# Altium PCB KB-PCB-R02.PcbDoc (part 3 of 5) (continued)
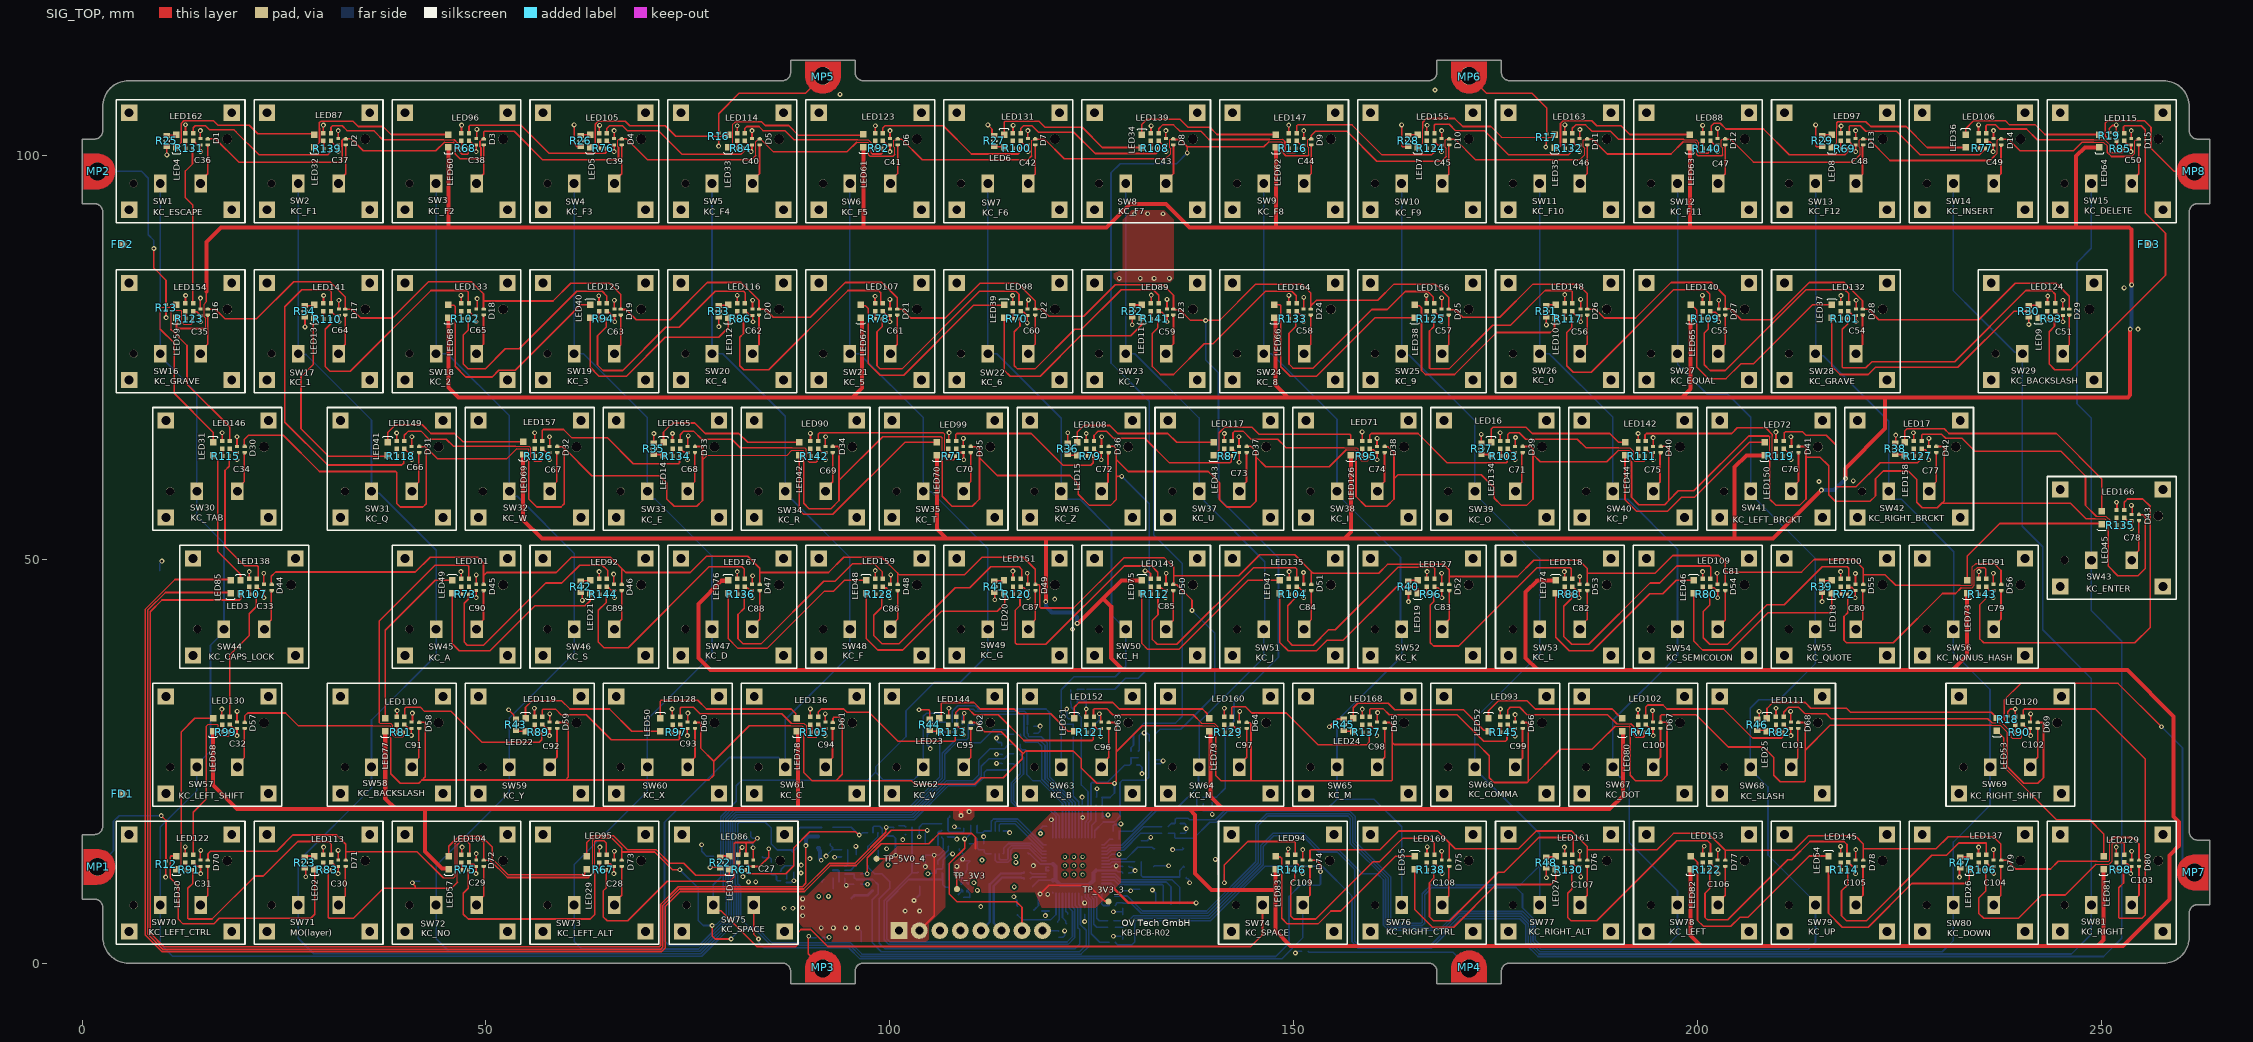
[diagram p0: SIG_TOP view]
## Nets (pads, with @x,y where several pads share a name; then routed paths per layer and width w, separated by ;. In a path a pad name is that pad's centre, name@x,y a point inside that pad or via, vN(x,y) a via of type N, cw(c..) or ccw(c..) an arc to the next point about the centre after c; other vN are vias at no path point) (continued)
  SIG_BOTTOM w0.2: R166.2@126.295,19.59 126.268,19.617 126.268,20.514 D100.1@126.24,20.541 127.241,20.541 127.8,21.1 v1(127.8,22.3)
NetD57_2: D57.2 SW57.2 | length 5
  SIG_TOP w0.2: SW57.2@19.224,24.304 19.224,24.629 20.1,25.505 20.1,28.9 D57.2@20.1,28.95
NetD58_2: D58.2 SW58.2 | length 5.2
  SIG_TOP w0.2: SW58.2@40.834,24.304 40.834,24.629 41.7,25.495 D58.2@41.7,29.1
NetD59_2: D59.2 SW59.2 | length 5.2
  SIG_TOP w0.2: SW59.2@57.907,24.304 57.907,24.629 58.8,25.522 D59.2@58.8,29.1
NetD60_2: D60.2 SW60.2 | length 5.2
  SIG_TOP w0.2: SW60.2@74.98,24.304 74.98,24.629 75.878,25.527 D60.2@75.878,29.124
NetD61_2: D61.2 SW61.2 | length 5.2
  SIG_TOP w0.2: SW61.2@92.054,24.304 92.054,24.629 92.9,25.475 92.9,29.1 D61.2@92.9,29.15
NetD62_2: D62.2 SW62.2 | length 5.2
  SIG_TOP w0.2: SW62.2@109.127,24.304 109.127,24.629 110,25.502 110,29.1 D62.2@110,29.15
NetD63_2: D63.2 SW63.2 | length 4.9
  SIG_TOP w0.2: SW63.2@126.2,24.304 126.2,24.629 127.09,25.519 127.09,28.85
NetD64_2: D64.2 SW64.2 | length 5.2
  SIG_TOP w0.2: SW64.2@143.273,24.304 143.273,24.629 144.158,25.514 D64.2@144.158,29.158
NetD65_2: D65.2 SW65.2 | length 5.2
  SIG_TOP w0.2: SW65.2@160.347,24.304 160.347,24.629 161.245,25.527 D65.2@161.245,29.124
NetD66_2: D66.2 SW66.2 | length 5.2
  SIG_TOP w0.2: SW66.2@177.42,24.304 177.42,24.629 178.095,25.304 178.183,25.304 178.3,25.421 D66.2@178.3,29.1
NetD67_2: D67.2 SW67.2 | length 5.1
  SIG_TOP w0.2: SW67.2@194.493,24.304 194.493,24.629 195.391,25.527 D67.2@195.391,29.074
NetD68_2: D68.2 SW68.2 | length 5.1
  SIG_TOP w0.2: SW68.2@211.567,24.304 211.567,24.629 212.4,25.462 212.4,29 D68.2@212.4,29.05
NetD69_2: D69.2 SW69.2 | length 5.1
  SIG_TOP w0.2: SW69.2@241.182,24.304 241.182,24.629 242.08,25.527 D69.2@242.08,29.074
NetD70_1: D70.1 D71.1 D72.1 D73.1 D74.1 D75.1 D76.1 D77.1 D78.1 D79.1 D80.1 D101.1 R167.2 | length 353.7
  SIG_TOP w0.15: 44.701,10.6 46,10.6 46.173,10.773 46.173,14.849 ; 62.69,10.644 63.197,11.151 63.197,15.279 ; 249.455,12.645 250.886,12.645 251.004,12.763 251.004,15.183
  SIG_TOP w0.2: D70.1@15.535,12.8 15.597,12.862 15.597,13.597 15.9,13.9 24.1,13.9 26.1,15.9 31.5,15.9 32.658,14.742 32.658,13.825 ; D71.1@32.658,12.75 D71.1@32.658,12.8 32.658,13.825 ; 44.701,10.6 41.476,13.825 32.658,13.825 ; 46.173,14.849 46.775,15.451 49.249,15.451 49.732,14.968 D72.1@49.732,12.8 ; D72.1@49.732,12.793 50.507,12.793 52.656,10.644 62.69,10.644 ; 63.197,15.279 63.417,15.5 65.6,15.5 66.8,14.3 66.8,13.8 ; D73.1@66.8,12.75 66.8,13.8 ; v1(74,11.6) 73.1,11.6 70.9,13.8 66.8,13.8 ; v1(78,4.7) 78,3.397 78.366,3.031 v1(80.341,3.031) ; v1(153.3,11.37) 153.3,12.3 152.823,12.777 152,12.777 152,13.983 152.117,14.1 160.7,14.1 163,16.4 167.8,16.4 169.25,14.95 ; D75.1@169.25,12.8 169.25,14.95 ; D76.1@186.3,12.85 186.3,14.1 ; D77.1@203.388,12.823 203.388,14.012 ; D78.1@220.46,12.876 220.5,12.916 220.5,14.2 ; 249.455,12.645 244.621,12.645 243.676,11.7 239.4,11.7 238.304,12.796 237.528,12.796 237.528,14.772 236.6,15.7 231,15.7 229.5,14.2 220.5,14.2 ; 251.004,15.183 251.421,15.6 253.8,15.6 254.614,14.786 D80.1@254.614,12.812 ; 169.25,14.95 170,14.2 177.8,14.2 180,16.4 184.4,16.4 186.3,14.5 186.3,14.1 ; 186.3,14.1 195,14.1 197,16.1 201.3,16.1 203.388,14.012 ; 203.388,14.012 211.912,14.012 213.7,15.8 219.483,15.8 220.5,14.783 220.5,14.2
  SIG_BOTTOM w0.2: v1(74,11.6) 76.3,9.3 76.3,5.3 76.9,4.7 v1(78,4.7) 78.077,4.777 78.477,4.777 79.761,6.061 79.761,8.739 79.37,9.13 79.37,18.045 80.624,19.3 102.399,19.3 106.183,23.084 D101.1@106.183,28.659 106.184,28.66 R167.2@106.938,28.66 ; v1@80.287,3.035 81.462,4.21 83.332,4.21 85.296,2.246 95.035,2.246 96.415,0.866 147.749,0.866 149.4,2.517 149.4,8.3 150.8,9.7 153.183,9.7 153.3,9.817 v1(153.3,11.37)
NetD70_2: D70.2 SW70.2 | length 5.2
  SIG_TOP w0.2: SW70.2@14.687,7.23 14.687,7.555 15.585,8.453 D70.2@15.585,12.05
NetD71_2: D71.2 SW71.2 | length 5.1
  SIG_TOP w0.2: SW71.2@31.76,7.23 31.76,7.555 32.435,8.23 32.483,8.23 32.6,8.347 32.6,11.9 D71.2@32.6,11.95
NetD72_2: D72.2 SW72.2 | length 5.2
  SIG_TOP w0.2: SW72.2@48.834,7.23 48.834,7.555 49.509,8.23 49.613,8.23 49.731,8.347 49.731,11.988 D72.2@49.731,12.038
NetD73_2: D73.2 SW73.2 | length 5.2
  SIG_TOP w0.2: SW73.2@65.907,7.23 65.907,7.555 66.8,8.448 66.8,12 D73.2@66.8,12.05
NetD74_2: D74.2 SW74.2 SW75.2 | length 84.7
  SIG_TOP w0.2: SW75.2@83.129,7.23 83.129,3.644 v1(83.738,3.035) ; SW74.2@151.8,7.901 SW74.2@151.129,7.23 151.129,7.555 152,8.426 D74.2@152,12.1
  SIG_BOTTOM w0.2: v1(83.738,3.035) 83.776,2.998 83.776,2.624 84.454,1.946 94.911,1.946 96.291,0.566 148.49,0.566 151.129,3.205 SW74.2@151.129,7.555
NetD75_2: D75.2 SW76.2 | length 5.2
  SIG_TOP w0.2: SW76.2@168.352,7.23 168.352,7.555 169.191,8.394 169.191,12.008 D75.2@169.191,12.058
NetD76_2: D76.2 SW77.2 | length 5.1
  SIG_TOP w0.2: SW77.2@185.425,7.23 185.425,7.555 186.323,8.453 D76.2@186.323,12
NetD77_2: D77.2 SW78.2 | length 5.3
  SIG_TOP w0.2: SW78.2@202.499,7.23 202.499,7.555 203.399,8.455 203.399,12.111 D77.2@203.388,12.123
NetD78_2: D78.2 SW79.2 | length 5.2
  SIG_TOP w0.2: SW79.2@219.572,7.23 219.572,7.555 220.46,8.443 D78.2@220.46,12.076
NetD79_2: D79.2 SW80.2 | length 5.2
  SIG_TOP w0.2: SW80.2@236.645,7.23 236.645,7.555 237.528,8.438 237.528,11.996 D79.2@237.528,12.046
NetD80_2: D80.2 SW81.2 | length 5.2
  SIG_TOP w0.2: SW81.2@253.718,7.23 253.718,7.555 254.614,8.451 254.614,12.012 D80.2@254.614,12.062
NetD81_1: D81.1 R147.1 SW1.1 SW16.1 SW30.1 SW44.1 SW57.1 SW70.1 | length 225
  SIG_BOTTOM w0.2: SW1.1@9.687,96.553 SW16.1@9.687,75.48 9.687,75.155 14.224,70.618 14.224,55.383 17.571,52.036 SW44.1@17.571,41.377 17.571,41.052 15.9,39.381 15.9,26.305 14.224,24.629 SW57.1@14.224,24.304 14.224,21.424 9.687,16.887 SW70.1@9.687,7.23 9.687,2.413 11.2,0.9 76.721,0.9 81.261,5.44 81.261,9.36 80.87,9.752 80.87,17.424 81.246,17.8 103.033,17.8 107.256,22.023 110.604,22.023 111.7,23.118 111.7,23.681 111.974,23.955 114.387,23.955 114.6,24.167 D81.1@114.6,24.732 ; D81.1@114.75,24.732 115.268,24.732 115.37,24.629 R147.1@115.42,24.629
NetD82_1: D82.1 R148.1 SW2.1 SW17.1 SW31.1 SW45.1 SW58.1 SW71.1 | length 216.5
  SIG_BOTTOM w0.2: SW2.1@26.76,96.553 SW17.1@26.76,75.48 26.858,75.382 27.718,75.382 35.834,67.266 SW31.1@35.834,58.45 36.076,58.208 36.792,58.208 43.834,51.166 SW45.1@43.834,41.377 43.834,38.151 35.834,30.151 SW58.1@35.834,24.304 35.834,21.734 26.76,12.66 SW71.1@26.76,7.23 26.76,3.126 28.686,1.2 76.597,1.2 80.961,5.564 80.961,9.236 80.57,9.627 80.57,17.548 81.121,18.1 102.909,18.1 107.131,22.323 110.412,22.323 111.307,23.218 111.307,24.407 112.259,25.359 114.172,25.359 114.6,25.787 D82.1@114.6,25.937 114.628,25.964 R148.1@115.355,25.964
NetD83_1: D83.1 R149.1 SW3.1 SW18.1 SW32.1 SW46.1 SW59.1 SW72.1 | length 200.2
  SIG_BOTTOM w0.2: SW3.1@43.834,96.553 SW18.1@43.834,75.48 45.22,75.48 52.907,67.793 SW32.1@52.907,58.45 53.525,57.832 53.865,57.832 60.907,50.79 SW46.1@60.907,41.377 60.907,38.407 52.907,30.407 SW59.1@52.907,24.304 52.907,21.207 43.834,12.134 SW72.1@43.834,7.23 43.834,3.066 45.4,1.5 76.473,1.5 80.661,5.688 80.661,9.112 80.27,9.503 80.27,17.673 80.997,18.4 102.784,18.4 107.007,22.623 110.288,22.623 111,23.335 111,25.2 112.398,26.598 114.2,26.598 114.6,26.998 D83.1@114.6,27.148 R149.1@115.364,27.148
NetD84_1: D84.1 R150.1 SW4.1 SW19.1 SW33.1 SW47.1 SW60.1 SW73.1 | length 184.7
  SIG_BOTTOM w0.2: SW4.1@60.906,96.553 SW19.1@60.906,75.48 62.077,75.48 69.98,67.577 69.98,58.175 70.655,57.5 70.93,57.5 77.98,50.45 SW47.1@77.98,41.377 77.98,38.211 69.98,30.211 SW60.1@69.98,24.304 69.98,21.297 60.907,12.224 SW73.1@60.907,7.23 60.907,2.738 61.845,1.8 76.349,1.8 80.361,5.813 80.361,8.987 79.97,9.379 79.97,17.797 80.873,18.7 102.66,18.7 106.8,22.84 106.8,25.907 108.193,27.3 111.2,27.3 112.852,28.952 114.383,28.952 114.5,28.835 114.5,28.47 D84.1@114.6,28.37 ; D84.1@114.607,28.362 R150.1@115.355,28.362
NetD85_1: D85.1 R151.1 SW5.1 SW20.1 SW34.1 SW48.1 SW61.1 | length 177.1
  SIG_BOTTOM w0.2: SW5.1@77.98,96.553 SW20.1@77.98,75.48 79.32,75.48 87.054,67.746 SW34.1@87.054,58.45 87.054,58.125 87.729,57.45 87.85,57.45 95.054,50.246 SW48.1@95.054,41.377 95.054,38.154 87.054,30.154 SW61.1@87.054,24.746 ; SW61.1@87.054,24.304 SW61.1@87.054,24.746 ; D85.1@109.693,29.598 109.693,27.91 109.483,27.7 108.168,27.7 106.483,26.015 106.483,22.947 102.536,19 80.749,19 79.67,17.921 79.67,9.255 80.061,8.863 80.061,5.937 76.324,2.2 72.7,2.2 72.1,2.8 72.1,17.5 80.1,25.5 86.262,25.5 86.379,25.383 86.379,25.304 86.937,24.746 SW61.1@87.054,24.746 ; D85.1@109.73,29.561 R151.1@110.448,29.561
NetD86_1: D86.1 R152.1 SW6.1 SW21.1 SW35.1 SW49.1 SW62.1 SW74.1 SW75.1 | length 217.1
  SIG_TOP w0.2: SW75.1@78.129,7.23 78.129,7.201 78.804,6.526 79.087,6.526 83.513,2.1 88.352,2.1 88.621,2.369 88.621,3.821 89,4.2 90.2,4.2 92.3,2.1 144.658,2.1 146.129,3.571 SW74.1@146.129,7.23
  SIG_BOTTOM w0.2: SW75.1@78.129,7.23 78.129,9.729 79.07,10.67 79.07,18.17 81,20.1 81,22 81.7,22.7 97.259,22.7 98.229,23.671 ; SW6.1@95.054,96.553 SW21.1@95.054,75.48 96.22,75.48 104.127,67.573 SW35.1@104.127,58.45 104.162,58.415 105.085,58.415 112.127,51.373 SW49.1@112.127,41.377 112.127,38.227 108.723,34.823 105.523,34.823 102,31.3 102,28.1 98.229,24.329 98.229,23.671 ; D86.1@106.183,29.878 106.183,30.837 106.066,30.954 104.493,30.954 104.127,30.588 SW62.1@104.127,24.304 103.452,23.629 103.452,23.252 102.916,22.716 99.184,22.716 98.418,23.482 98.229,23.671 ; D86.1@106.183,29.878 R152.1@106.938,29.879
NetD87_1: D87.1 R153.1 SW7.1 SW22.1 SW36.1 SW50.1 SW63.1 | length 91
  SIG_BOTTOM w0.2: SW7.1@112.127,96.553 SW22.1@112.127,75.48 113.22,75.48 121.2,67.5 SW36.1@121.2,58.45 121.2,58.125 121.875,57.45 123.563,57.45 127.434,53.579 127.434,43.143 SW50.1@129.2,41.377 129.2,36.8 127.9,35.5 122.8,35.5 121.2,33.9 121.2,29.102 ; SW63.1@121.875,23.35 121.2,24.025 SW63.1@121.2,24.304 121.2,29.102 ; R153.1@122.708,28.86 122.708,29.611 D87.1@122.704,29.615 121.713,29.615 121.2,29.102
NetD88_1: D88.1 R154.1 SW8.1 SW23.1 SW37.1 SW51.1 SW64.1 | length 98.9
  SIG_BOTTOM w0.2: R154.1@128.395,15.4 128.373,15.422 128.373,16.36 D88.1@128.352,16.382 129.995,16.382 132.814,19.2 135.5,19.2 138.2,21.9 138.2,24.231 SW64.1@138.273,24.304 138.273,29.873 146.273,37.873 SW51.1@146.273,41.377 ; SW8.1@129.2,96.553 SW23.1@129.2,75.48 130.32,75.48 138.273,67.527 SW37.1@138.273,58.45 138.932,57.791 138.932,57.21 146.407,49.735 SW51.1@146.407,41.409
NetD89_1: D89.1 R155.1 SW9.1 SW24.1 SW38.1 SW52.1 SW65.1 SW76.1 | length 129
  SIG_BOTTOM w0.2: R155.1@134.457,16.911 134.457,16.961 134.827,17.33 D89.1@135.259,17.33 135.323,17.394 135.323,17.841 135.44,17.958 136.942,17.958 137.1,17.8 140.276,17.8 141.626,19.15 154.15,19.15 155.347,20.347 ; SW9.1@146.273,96.553 SW24.1@146.273,75.48 146.284,75.469 147.231,75.469 155.347,67.353 SW38.1@155.347,58.45 155.347,58.125 163.2,50.272 163.2,41.524 SW52.1@163.347,41.377 163.347,38.038 155.347,30.038 SW65.1@155.347,24.304 155.347,20.347 ; SW76.1@163.352,7.23 163.352,16.917 159.922,20.347 155.347,20.347
NetD90_1: D90.1 R156.1 SW10.1 SW25.1 SW39.1 SW53.1 SW66.1 SW77.1 | length 167.3
  SIG_BOTTOM w0.2: R156.1@134.457,16.111 135.233,16.111 D90.1@135.259,16.136 135.259,15.596 135.376,15.479 137.579,15.479 139.6,17.5 140.4,17.5 141.75,18.85 156.95,18.85 157.6,18.2 157.6,15.108 162,10.708 162,5.117 162.117,5 165.783,5 165.9,5.117 165.9,8.624 166.987,9.712 178.003,9.712 180.425,12.134 ; SW10.1@163.347,96.553 SW25.1@163.347,75.48 163.532,75.295 164.305,75.295 172.42,67.18 SW39.1@172.42,58.45 172.42,58.125 180.42,50.125 180.42,38.32 172.42,30.32 172.42,23.979 173.095,23.304 173.196,23.304 180.425,16.075 180.425,12.134 ; SW77.1@180.425,7.23 180.425,12.134
NetD91_1: D91.1 R157.1 SW11.1 SW26.1 SW40.1 SW54.1 SW67.1 SW78.1 | length 207.1
  SIG_BOTTOM w0.2: R157.1@127.861,8.321 127.876,8.336 128.811,8.336 D91.1@128.826,8.351 129.382,8.351 131.231,6.502 139.202,6.502 145.3,12.6 145.3,17.2 146.65,18.55 156.826,18.55 157.3,18.076 157.3,14.983 161.7,10.583 161.7,4.993 161.993,4.7 165.907,4.7 166.2,4.993 166.2,8.5 167.1,9.4 177.5,9.4 178.3,8.6 178.3,6.897 179.905,5.292 179.905,2.892 180.729,2.069 196.037,2.069 197.499,3.53 SW78.1@197.499,7.23 197.499,8.999 191.5,14.998 191.5,21.972 189.493,23.979 SW67.1@189.493,24.304 189.493,30.099 197.493,38.099 SW54.1@197.493,41.377 197.493,51.293 191.336,57.45 190.174,57.45 189.499,58.125 SW40.1@189.499,58.45 189.499,67.601 181.62,75.48 SW26.1@180.42,75.48 SW11.1@180.42,96.553
NetD92_1: D92.1 R158.1 SW12.1 SW27.1 SW41.1 SW55.1 SW68.1 SW79.1 | length 220.8
  SIG_BOTTOM w0.2: R158.1@127.91,7.183 128,7.273 128,7.411 128.118,7.529 128.816,7.529 128.882,7.463 129.837,7.463 131.098,6.202 139.326,6.202 145.6,12.476 145.6,17.076 146.774,18.25 156.701,18.25 157,17.951 157,14.859 161.4,10.459 161.4,4.869 161.869,4.4 168.227,4.4 170.264,6.437 178.336,6.437 179.605,5.168 179.605,2.768 180.604,1.769 213.687,1.769 214.572,2.654 SW79.1@214.572,7.23 214.572,7.555 208.7,13.427 208.7,21.846 SW68.1@206.567,23.979 ; SW12.1@197.515,96.553 SW27.1@197.515,75.48 197.544,75.451 197.544,74.103 201.171,70.476 203.724,70.476 206.572,67.628 SW41.1@206.572,58.45 206.572,58.125 214.567,50.13 SW55.1@214.567,41.377 214.567,37.136 210.085,32.654 207.554,32.654 206.495,31.595 206.495,24.376 SW68.1@206.567,24.304
NetD93_1: D93.1 R159.1 SW13.1 SW28.1 SW42.1 SW56.1 SW69.1 SW80.1 | length 228.2
  SIG_BOTTOM w0.2: R159.1@127.722,5.3 D93.1@128.818,5.3 ; D93.1@128.827,5.309 129.568,5.309 130.16,5.902 139.45,5.902 145.9,12.351 145.9,14.6 147.4,16.1 151.224,16.1 153.224,14.1 155.5,14.1 158.483,11.117 160.317,11.117 161.1,10.335 161.1,4.744 161.744,4.1 168.351,4.1 170.388,6.137 178.212,6.137 179.305,5.044 179.305,2.644 180.48,1.469 230.269,1.469 231.645,2.844 SW80.1@231.645,7.23 231.645,15.045 236.182,19.582 SW69.1@236.182,24.304 236.182,33.918 231.645,38.455 SW56.1@231.645,41.377 231.685,41.417 231.685,50.982 225.217,57.45 224.32,57.45 223.645,58.125 SW42.1@223.645,58.45 223.645,67.118 215.546,75.217 214.851,75.217 SW28.1@214.588,75.48 SW13.1@214.588,96.553
NetD94_1: D94.1 R160.1 SW14.1 SW29.1 SW81.1 | length 244
  SIG_BOTTOM w0.2: R160.1@127.904,4.495 D94.1@128.827,4.495 128.921,4.588 129.308,4.588 130.321,5.602 139.575,5.602 146.2,12.227 146.2,14.476 147.524,15.8 151.1,15.8 153.1,13.8 155.376,13.8 157.538,11.638 157.538,2.762 158.1,2.2 166.876,2.2 170.513,5.837 178.087,5.837 179.005,4.92 179.005,2.52 180.356,1.169 246.252,1.169 248.718,3.634 SW81.1@248.718,7.23 248.718,35.282 242.7,41.3 242.7,51.6 240.182,54.118 SW29.1@240.182,75.48 239.986,75.676 239.224,75.676 234.4,80.5 231.645,83.255 SW14.1@231.645,96.553
NetD95_1: D95.1 R161.1 SW15.1 SW43.1 | length 240
  SIG_BOTTOM w0.2: R161.1@127.922,2.632 127.922,2.582 128.222,2.282 D95.1@128.827,2.282 129.956,2.282 130.292,2.617 130.292,5.148 130.443,5.3 139.697,5.3 146.435,12.038 153.503,12.038 157.2,8.341 157.2,2.676 157.976,1.9 167,1.9 170.637,5.537 177.963,5.537 178.705,4.795 178.705,2.395 180.231,0.869 250.234,0.869 252.5,3.135 252.5,39.9 248.718,43.682 SW43.1@248.718,49.914 248.718,67.52 246.949,69.29 246.949,86.749 248.718,88.518 SW15.1@248.718,96.553
NetLED1_1: LED1.1 LED29.2 | length 22.4
  SIG_TOP w0.2: LED29.2@62.5,13.3 62.5,15.007 63.293,15.8 65.8,15.8 67.5,14.1 71.058,14.1 72.758,12.4 74.5,12.4 75.964,10.936 80.012,10.936 80.129,11.053 LED1.1@80.129,11.687
NetLED1_2: LED1.2 R22.1 | length 1.2
  SIG_TOP w0.2: R22.1@79,13.3 LED1.2@80.2,13.3
NetLED2_1: LED2.1 LED30.2 | length 32.2
  SIG_TOP w0.2: LED30.2@11.7,13.3 11.017,13.3 10.9,13.183 10.9,10.6 11.9,9.6 11.9,5.5 12.5,4.9 16.3,4.9 17,5.6 28.3,5.6 28.8,6.1 LED2.1@28.8,11.7
NetLED2_2: LED2.2 R23.1 | length 1.3
  SIG_TOP w0.2: R23.1@27.7,13.3 28.954,13.3 LED2.2@28.981,13.273
NetLED3_1: LED3.1 LED31.2 | length 16.9
  SIG_TOP w0.2: LED31.2@16.224,62.907 16.824,62.307 16.824,50.963 19.617,48.17 LED3.1@19.617,47.434
NetLED3_2: LED3.2 R24.1 | length 147.5
  SIG_TOP w0.2: LED3.2@19.617,45.834 19.617,45.184 19.616,45.184 19.616,45.117 19.499,45 9.9,45 8.448,43.548 8.448,3.761 10.132,2.077 71.483,2.077 71.6,2.194 71.6,7.308 73.805,9.513 89.191,9.513 89.6,9.922 v1(89.6,14.6)
  SIG_BOTTOM w0.5: v1@89.6,14.627 89.6,15.407 89.893,15.7 R24.1@91.1,15.7
NetLED4_1: LED4.1 LED32.2 | length 20.6
  SIG_TOP w0.2: LED4.1@11.702,101.01 12.002,101.31 12.002,101.338 12.302,101.638 12.302,104.023 12.6,104.321 16.279,104.321 16.837,103.763 20.697,103.763 21.76,102.7 28.67,102.7 LED32.2@28.76,102.61
NetLED4_2: LED4.2 R25.1 | length 1.2
  SIG_TOP w0.2: R25.1@10.499,102.51 11.574,102.51 LED4.2@11.674,102.61
NetLED5_1: LED5.1 LED33.2 | length 20.7
  SIG_TOP w0.15: 78.395,102.405 79.123,102.405 79.328,102.61
  SIG_TOP w0.2: LED5.1@62.906,101.01 63.206,101.31 63.41,101.31 63.527,101.427 63.527,103.382 63.516,103.393 63.516,103.898 63.863,104.245 67.255,104.245 67.8,103.7 72.2,103.7 73.495,102.405 78.395,102.405 ; 79.328,102.61 LED33.2@79.98,102.61
NetLED5_2: LED5.2 R26.1 | length 1
  SIG_TOP w0.2: R26.1@61.9,102.6 62.8,102.6 LED5.2@62.9,102.7
NetLED6_1: LED6.1 LED34.2 | length 20
  SIG_TOP w0.2: LED6.1@114.134,102.61 114.134,104.122 114.251,104.239 118.454,104.239 119.194,103.5 123.8,103.5 126.3,101 LED34.2@131.2,101
NetLED6_2: LED6.2 R27.1 | length 1.2
  SIG_TOP w0.2: R27.1@112.939,101.11 114.034,101.11 LED6.2@114.134,101.01
NetLED7_1: LED7.1 LED35.2 | length 20.8
  SIG_TOP w0.15: LED7.1@165.649,101.31 165.956,101.617 165.956,103.385 ; 175.7,102.3 182,102.3 LED35.2@182.15,102.45
  SIG_TOP w0.2: LED7.1@165.349,101.01 LED7.1@165.649,101.31 ; 165.949,103.392 165.948,103.393 165.948,104.148 166.4,104.6 169.9,104.6 170.9,103.6 174.4,103.6 175.7,102.3
NetLED7_2: LED7.2 R28.1 | length 1.1
  SIG_TOP w0.2: R28.1@164.2,102.6 165.2,102.6 LED7.2@165.3,102.7
NetLED8_1: LED8.1 LED36.2 | length 20.7
  SIG_TOP w0.15: LED8.1@216.6,101.01 217.2,101.61 217.2,103.392
  SIG_TOP w0.2: 217.199,103.393 217.199,104.082 217.317,104.2 220.8,104.2 221.4,103.6 225.8,103.6 228.39,101.01 LED36.2@233.16,101.01
NetLED8_2: LED8.2 R29.1 | length 1.1
  SIG_TOP w0.2: R29.1@215.5,102.6 216.5,102.6 LED8.2@216.6,102.7
NetLED9_1: LED9.1 LED37.2 | length 35.6
  SIG_TOP w0.2: LED37.2@216.6,79.937 216.6,73.9 217.6,72.9 221.1,72.9 222,73.8 232.2,73.8 239.14,80.74 241.378,80.74 LED9.1@242.181,79.937
NetLED9_2: LED9.2 R30.1 | length 1
  SIG_TOP w0.2: R30.1@240.988,81.501 241.846,81.501 LED9.2@241.946,81.601
NetLED10_1: LED10.1 LED38.2 | length 29.3
  SIG_TOP w0.2: LED38.2@164.96,81.537 165.059,81.438 165.543,81.438 165.798,81.183 165.798,73.402 166.3,72.9 169.9,72.9 175.1,78.1 181.763,78.1 182.274,78.611 LED10.1@182.274,80.085
NetLED10_2: LED10.2 R31.1 | length 1.1
  SIG_TOP w0.2: R31.1@181.24,81.437 181.34,81.537 LED10.2@182.274,81.537
NetLED11_1: LED11.1 LED39.2 | length 27.3
  SIG_TOP w0.2: LED39.2@114.134,79.937 114.134,73.466 114.9,72.7 118.6,72.7 123.6,77.7 129.8,77.7 131.172,79.072 LED11.1@131.172,79.888
NetLED11_2: LED11.2 R32.1 | length 1.2
  SIG_TOP w0.2: R32.1@130.006,81.503 131.157,81.503 LED11.2@131.172,81.488
NetLED12_1: LED12.1 LED40.2 | length 27.4
  SIG_TOP w0.2: LED40.2@62.906,79.937 62.906,73.794 64,72.7 67.4,72.7 72.2,77.5 78.8,77.5 79.98,78.68 LED12.1@79.98,79.937
NetLED12_2: LED12.2 R33.1 | length 1
  SIG_TOP w0.2: R33.1@78.8,81.5 79.7,81.5 LED12.2@79.8,81.6
NetLED13_1: LED13.1 LED41.2 | length 26.6
  SIG_TOP w0.2: LED13.1@28.772,79.937 28.6,79.765 28.6,74.1 27.1,72.6 27.1,66.2 30.5,62.8 37.727,62.8 LED41.2@37.834,62.907
NetLED13_2: LED13.2 R34.1 | length 1.1
  SIG_TOP w0.2: R34.1@27.569,81.437 28.537,81.437 LED13.2@28.6,81.5
NetLED14_1: LED14.1 LED42.2 | length 19.5
  SIG_TOP w0.2: LED14.1@71.98,64.507 71.98,65.78 73.1,66.9 75.85,66.9 77.15,65.6 81.3,65.6 82.393,64.507 LED42.2@88.754,64.507
NetLED14_2: LED14.2 R35.1 | length 1.2
  SIG_TOP w0.2: R35.1@70.792,63.007 71.88,63.007 LED14.2@71.98,62.907
NetLED15_1: LED15.1 LED43.2 | length 19.4
  SIG_TOP w0.2: LED15.1@123.2,64.507 123.2,65.8 124,66.6 127.2,66.6 128.2,65.6 134.4,65.6 135.493,64.507 LED43.2@140.073,64.507
NetLED15_2: LED15.2 R36.1 | length 1.2
  SIG_TOP w0.2: R36.1@122.012,63.007 122.112,62.907 LED15.2@123.2,62.907
NetLED16_1: LED16.1 LED44.2 | length 19.3
  SIG_TOP w0.2: LED16.1@174.42,64.507 174.42,66.12 174.7,66.4 178.7,66.4 179.5,65.6 189.1,65.6 190.193,64.507 LED44.2@191.199,64.507
NetLED16_2: LED16.2 R37.1 | length 1.2
  SIG_TOP w0.2: R37.1@173.232,63.007 174.32,63.007 LED16.2@174.42,62.907
NetLED17_1: LED17.1 LED45.2 | length 32.5
  SIG_TOP w0.2: LED17.1@225.645,64.507 225.645,65.945 225.9,66.2 230.5,66.2 231.1,65.6 244.4,65.6 250.018,59.982 LED45.2@250.018,55.971
NetLED17_2: LED17.2 R38.1 | length 1.2
  SIG_TOP w0.2: R38.1@224.457,63.007 225.545,63.007 LED17.2@225.645,62.907
NetLED18_1: LED18.1 LED46.2 | length 27.6
  SIG_TOP w0.2: LED46.2@199.493,45.834 199.493,39.907 200.6,38.8 204.1,38.8 208.7,43.4 216.263,43.4 216.567,43.704 LED18.1@216.567,45.834
NetLED18_2: LED18.2 R39.1 | length 1.1
  SIG_TOP w0.2: R39.1@215.4,47.4 216.406,47.4 LED18.2@216.494,47.487
NetLED19_1: LED19.1 LED47.2 | length 27.5
  SIG_TOP w0.2: LED47.2@148.273,45.834 148.273,39.727 149.3,38.7 152.8,38.7 154.1,40 156.1,40 162.734,46.634 165.097,46.634 165.314,46.417 165.314,45.867 LED19.1@165.347,45.834
NetLED19_2: LED19.2 R40.1 | length 1.2
  SIG_TOP w0.2: R40.1@164.159,47.334 164.259,47.434 LED19.2@165.347,47.434
NetLED20_1: LED20.1 LED48.2 | length 27.1
  SIG_TOP w0.2: LED48.2@97.054,45.834 97.054,40.246 98.5,38.8 101.6,38.8 106.4,43.6 113.3,43.6 114.199,44.499 114.199,45.762 LED20.1@114.127,45.834
NetLED20_2: LED20.2 R41.1 | length 1.2
  SIG_TOP w0.2: R41.1@112.98,47.381 114.074,47.381 LED20.2@114.127,47.434
NetLED21_1: LED21.1 LED49.2 | length 27.2
  SIG_TOP w0.2: LED49.2@45.834,45.834 45.834,39.566 46.7,38.7 50.5,38.7 56.1,44.3 62.3,44.3 62.907,44.907 LED21.1@62.907,45.834
NetLED21_2: LED21.2 R42.1 | length 1.1
  SIG_TOP w0.2: R42.1@62,47.4 63,47.4 LED21.2@63.1,47.5
NetLED22_1: LED22.1 LED50.2 | length 19.9
  SIG_TOP w0.2: LED22.1@54.9,30.361 54.9,31.7 55.7,32.5 59.4,32.5 60.4,31.5 65.3,31.5 68.039,28.761 LED50.2@71.593,28.761
NetLED22_2: LED22.2 R43.1 | length 1.2
  SIG_TOP w0.2: R43.1@53.719,28.861 53.819,28.761 LED22.2@54.9,28.761
NetLED23_1: LED23.1 LED51.2 | length 19.9
  SIG_TOP w0.2: LED23.1@106.1,30.361 106.363,30.624 106.363,32.183 106.48,32.3 110.4,32.3 111.2,31.5 115.4,31.5 116,30.9 119.9,30.9 122.039,28.761 LED51.2@122.813,28.761
NetLED23_2: LED23.2 R44.1 | length 1.2
  SIG_TOP w0.2: R44.1@104.939,28.861 105.039,28.761 LED23.2@106.1,28.761
NetLED24_1: LED24.1 LED52.2 | length 19.7
  SIG_TOP w0.2: LED24.1@157.347,30.361 157.347,31.647 157.9,32.2 161.7,32.2 162.5,31.4 171,31.4 173.517,28.883 173.978,28.883 LED52.2@174.1,28.761
NetLED24_2: LED24.2 R45.1 | length 1.2
  SIG_TOP w0.2: R45.1@156.159,28.861 156.259,28.761 LED24.2@157.347,28.761
NetLED25_1: LED25.1 LED53.2 | length 30.8
  SIG_TOP w0.2: LED25.1@208.567,30.361 208.567,31.567 209.3,32.3 213.3,32.3 214,31.6 218.4,31.6 218.9,31.1 236.32,31.1 LED53.2@237.031,30.389
NetLED25_2: LED25.2 R46.1 | length 1.2
  SIG_TOP w0.2: R46.1@207.382,28.861 208.467,28.861 LED25.2@208.567,28.761
NetLED26_1: LED26.1 LED54.2 | length 27.4
  SIG_TOP w0.2: LED54.2@216.185,11.687 216.185,6.215 217.9,4.5 221.1,4.5 226.5,9.9 233.096,9.9 233.6,10.404 LED26.1@233.6,11.8
NetLED26_2: LED26.2 R47.1 | length 1.1
  SIG_TOP w0.2: R47.1@232.5,13.187 233.5,13.187 LED26.2@233.6,13.287
NetLED27_1: LED27.1 LED55.2 | length 27.1
  SIG_TOP w0.2: LED55.2@164.965,11.687 164.965,6.689 166.354,5.3 167.154,4.5 169.8,4.5 175.074,9.774 181.864,9.774 182.425,10.336 LED27.1@182.425,11.687
NetLED27_2: LED27.2 R48.1 | length 1.2
  SIG_TOP w0.2: R48.1@181.237,13.187 182.125,13.187 182.3,13.362 LED27.2@182.3,13.4
NetLED29_1: LED29.1 LED57.2 | length 22.1
  SIG_TOP w0.2: LED57.2@45.4,13.287 45.4,14.5 46.651,15.751 49.432,15.751 50.8,14.383 50.8,12.933 52.733,11 62.128,11 62.246,11.117 62.246,11.433 LED29.1@62.5,11.687
NetLED30_1: LED30.1 LED58.2 | length 21.5
  SIG_TOP w0.15: LED30.1@11.7,11.7 12.301,12.301 12.301,15.199
  SIG_TOP w0.2: 12.301,15.199 12.301,28.701 13.967,30.367 LED58.2@15.897,30.367
NetLED31_1: LED31.1 LED59.2 | length 21.5
  SIG_TOP w0.15: 9.687,78.513 9.687,81.088 9.804,81.205 10.847,81.205 11.104,81.462 LED59.2@11.612,81.462
  SIG_TOP w0.2: 9.687,78.513 11.4,76.8 11.4,70.6 16.224,65.776 LED31.1@16.224,64.507 ; LED59.2@11.612,81.462 LED59.2@11.687,81.537
NetLED32_1: LED32.1 LED60.2 | length 20.1
  SIG_TOP w0.2: LED32.1@28.772,101.01 29.395,101.633 29.395,103.368 29.371,103.393 29.371,104.058 29.586,104.273 33.527,104.273 34.2,103.6 37.266,103.6 38.256,102.61 LED60.2@45.351,102.61